# KiCad board iMX6_BareBones.kicad_pcb (continued)
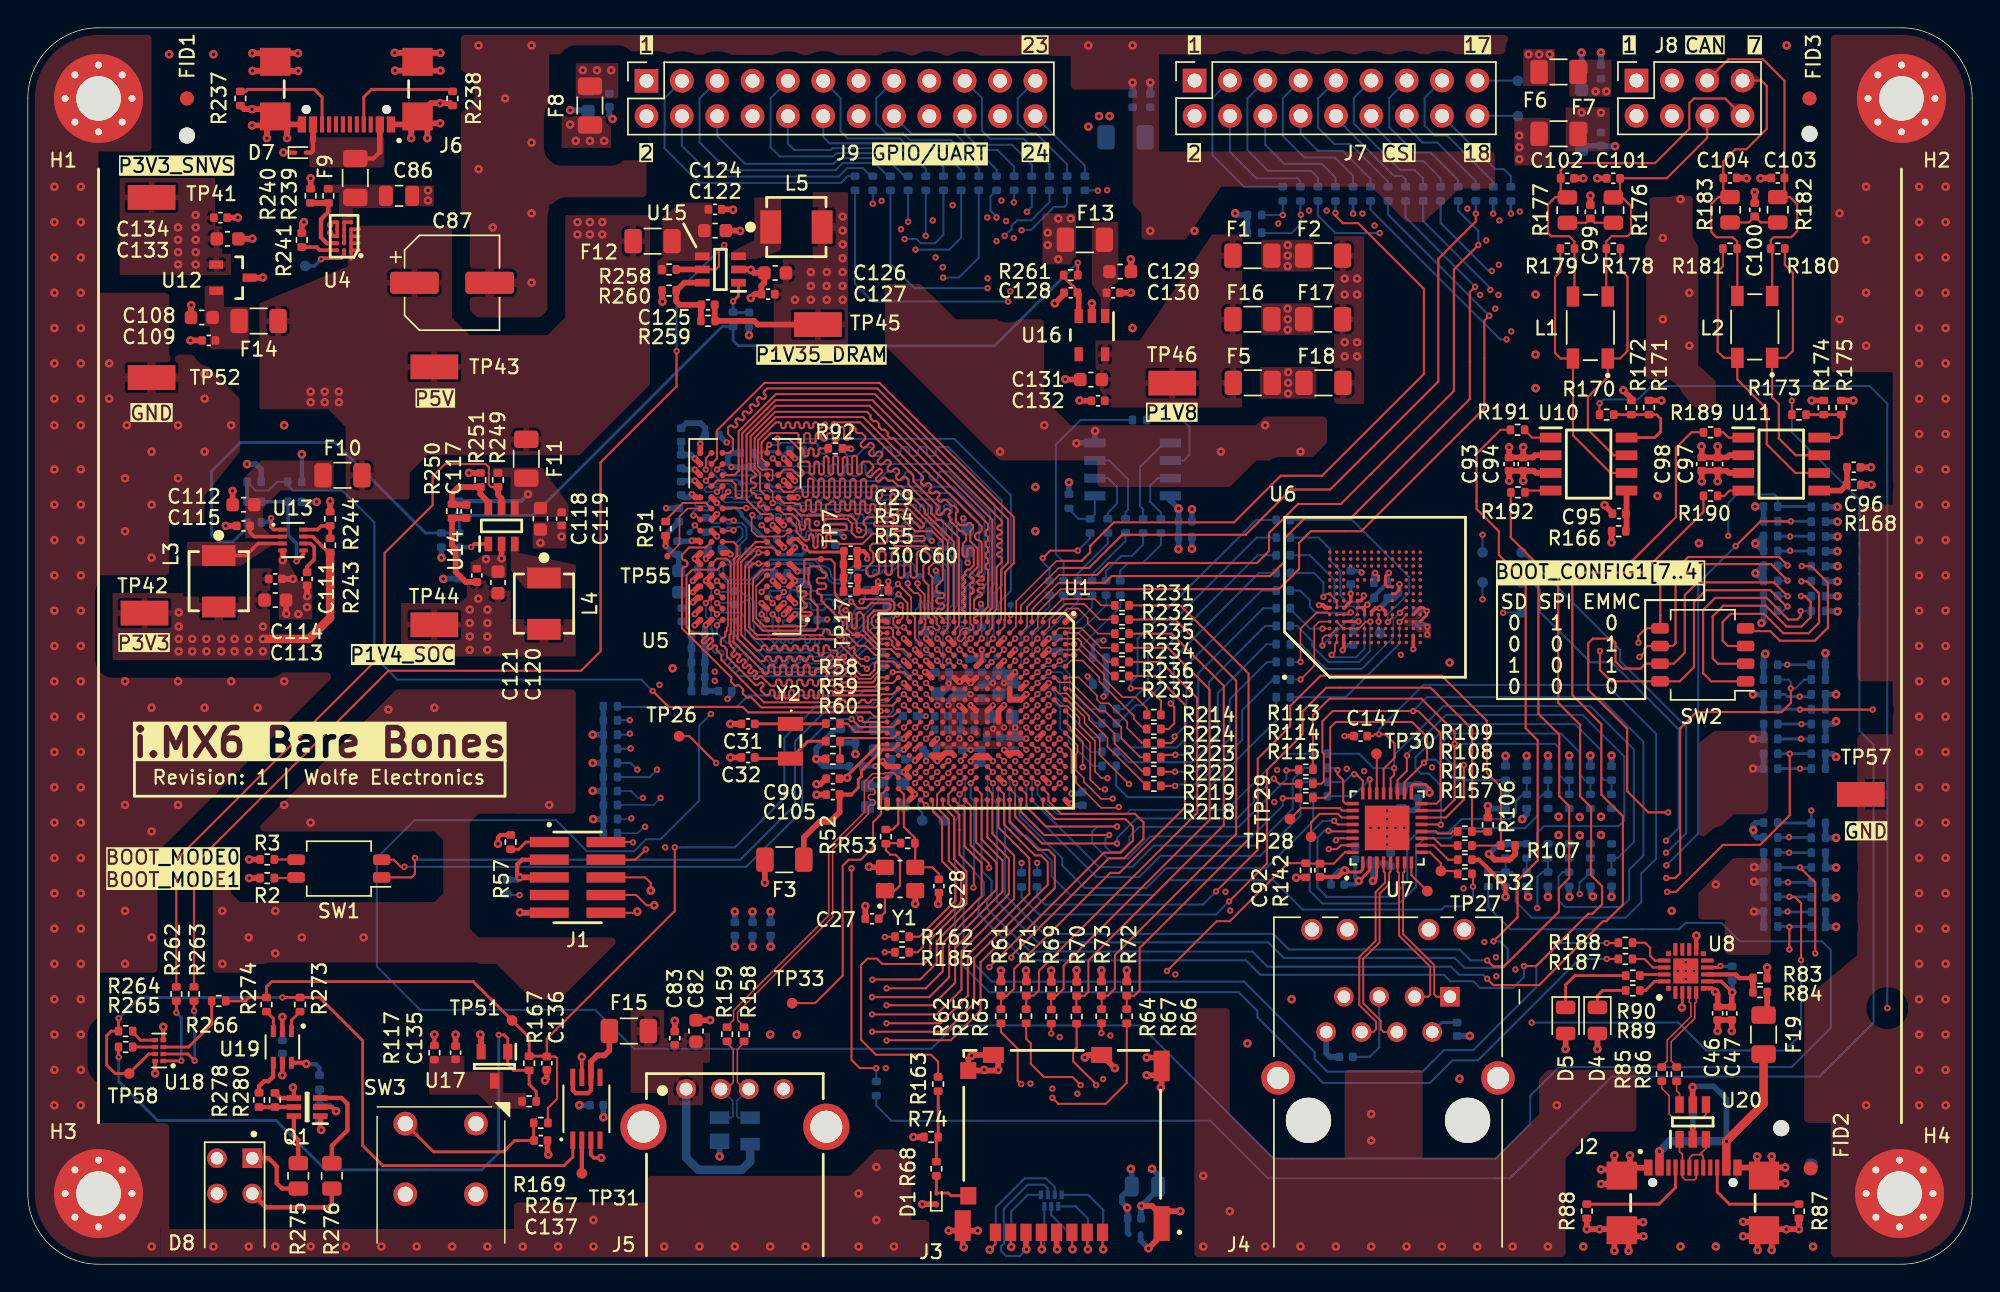
[diagram p0: board, top side]
## Routing (per net, layer and track width the routed paths; a pad name or vN(x,y) marks a point on that pad's centre or on a via; arc(x,y) is an arc through that point) (continued)
/Signal_Map/DRAM_DDR3L/DRAM_A14: length 38.1
  Top w0.143: U5.T7 50.43,58.34 50.65,58.55 50.65,59.36 50.32,59.69 50.32,60.17 50.42,60.27 arc(50.52,60.32) 50.62,60.27 50.69,60.2 arc(50.8,60.16) 50.9,60.2 50.95,60.25 arc(50.99,60.35) 50.95,60.46 50.88,60.53 arc(50.84,60.63) 50.88,60.73 50.93,60.78 arc(51.03,60.83) 51.13,60.78 51.2,60.71 arc(51.31,60.67) 51.41,60.71 51.46,60.76 arc(51.5,60.86) 51.46,60.97 51.39,61.04 arc(51.34,61.14) 51.39,61.24 51.44,61.29 arc(51.54,61.33) 51.64,61.29 51.71,61.22 arc(51.81,61.18) 51.92,61.22 51.97,61.27 arc(52.01,61.37) 51.97,61.47 51.9,61.55 arc(51.85,61.65) 51.9,61.75 51.95,61.8 arc(52.05,61.84) 52.15,61.8 52.22,61.73 arc(52.32,61.69) 52.43,61.73 52.48,61.78 arc(52.52,61.88) 52.48,61.98 52.4,62.06 arc(52.36,62.16) 52.4,62.26 52.46,62.31 arc(52.56,62.35) 52.66,62.31 52.73,62.24 arc(52.83,62.2) 52.93,62.24 52.99,62.29 arc(53.03,62.39) 52.99,62.49 52.91,62.57 arc(52.87,62.67) 52.91,62.77 53.11,62.97 61.04,62.97 70.43,53.57 70.43,50.44 69.93,49.94 69.93,46.37 U1.G1
/Signal_Map/DRAM_DDR3L/DRAM_BA0: length 38.3
  Top w0.143: U5.M2 54.32,54.73 55.07,54.73 55.14,54.66 55.4,54.66 arc(55.5,54.62) 55.54,54.52 55.54,54.27 arc(55.58,54.17) 55.69,54.13 55.76,54.13 arc(55.86,54.17) 55.9,54.27 55.9,54.8 arc(55.94,54.9) 56.04,54.94 56.12,54.94 arc(56.22,54.9) 56.26,54.8 56.26,54.22 arc(56.3,54.12) 56.41,54.08 56.48,54.08 arc(56.58,54.12) 56.62,54.22 56.62,54.75 arc(56.65,54.81) 56.71,54.84 56.89,54.84 arc(56.96,54.81) 56.98,54.75 56.98,54.22 arc(57.02,54.12) 57.13,54.08 57.2,54.08 arc(57.3,54.12) 57.34,54.22 57.34,54.52 arc(57.38,54.62) 57.49,54.66 57.56,54.66 arc(57.62,54.69) 57.65,54.75 arc(57.67,54.81) 57.74,54.84 57.92,54.84 arc(57.98,54.81) 58.01,54.75 58.01,54.22 arc(58.05,54.12) 58.15,54.08 58.22,54.08 arc(58.33,54.12) 58.37,54.22 58.37,54.75 arc(58.39,54.81) 58.46,54.84 58.64,54.84 arc(58.7,54.81) 58.73,54.75 58.73,54.32 arc(58.77,54.22) 58.87,54.18 58.94,54.18 arc(59.05,54.22) 59.09,54.32 59.09,54.75 arc(59.11,54.81) 59.18,54.84 59.36,54.84 arc(59.42,54.81) 59.45,54.75 59.45,54.07 arc(59.49,53.97) 59.59,53.93 59.66,53.93 arc(59.77,53.97) 59.81,54.07 59.81,54.75 arc(59.83,54.81) 59.9,54.84 60.08,54.84 arc(60.14,54.81) 60.17,54.75 60.17,54.17 arc(60.21,54.07) 60.31,54.03 60.38,54.03 arc(60.49,54.07) 60.53,54.17 60.53,54.52 arc(60.57,54.62) 60.67,54.66 60.74,54.66 arc(60.85,54.62) 60.89,54.52 60.89,54.17 arc(60.93,54.07) 61.03,54.03 61.1,54.03 arc(61.21,54.07) 61.25,54.17 61.25,54.52 arc(61.29,54.62) 61.39,54.66 61.46,54.66 arc(61.57,54.62) 61.61,54.52 61.61,54.17 arc(61.65,54.07) 61.75,54.03 61.82,54.03 arc(61.93,54.07) 61.97,54.17 61.97,55.25 arc(62.01,55.35) 62.11,55.39 62.18,55.39 arc(62.29,55.35) 62.33,55.25 62.33,54.8 arc(62.37,54.7) 62.47,54.66 62.92,54.66 64.36,53.21 64.36,53.06 64.26,52.96 64.08,52.96 62.79,54.25 62.64,54.25 62.48,54.1 62.48,53.97 63.75,52.7 64.97,52.7 65.74,51.93 65.74,49.22 65.28,48.76 65.28,48.42 arc(65.33,48.31) 65.44,48.27 65.68,48.27 arc(65.79,48.22) 65.83,48.12 65.83,48.04 arc(65.79,47.93) 65.68,47.89 65.44,47.89 arc(65.33,47.84) 65.28,47.74 65.28,47.66 arc(65.33,47.55) 65.44,47.51 65.68,47.51 arc(65.79,47.46) 65.83,47.36 65.83,47.28 arc(65.79,47.17) 65.68,47.13 65.44,47.13 arc(65.33,47.08) 65.28,46.98 65.28,46.87 65.74,46.42 U1.M1
/Signal_Map/DRAM_DDR3L/DRAM_BA1: length 38
  Top w0.143: U5.N8 49.52,56.34 50.57,56.34 50.85,56.06 50.85,55.19 50.95,55.09 51.26,55.09 51.33,55.17 51.33,59.75 53.11,61.53 53.12,61.53 53.72,62.13 60.68,62.13 69.3,53.51 69.3,47.18 68.99,46.87 68.99,46.87 68.94,46.82 U1.H1
/Signal_Map/DRAM_DDR3L/DRAM_BA2: length 38.1
  Top w0.114: 67.7,46.78 67.72,46.75 67.72,46.07 67.82,45.97 67.82,45.96 67.93,45.86 67.93,45.71 67.82,45.6 67.65,45.6 67.52,45.73 67.19,45.73 66.96,45.5 66.96,45.22 66.78,45.05 66.78,44.92 66.88,44.82 67.06,44.82 67.34,45.1 U1.K2
  Top w0.143: U5.M3 52.6,55.65 52.6,56.9 52.22,57.28 52.22,59.41 53.73,60.91 60.02,60.91 64.28,56.65 arc(64.33,56.53) 64.28,56.41 64.21,56.35 arc(64.16,56.23) 64.21,56.11 64.27,56.05 arc(64.39,56) 64.51,56.05 64.58,56.12 arc(64.7,56.16) 64.81,56.12 64.87,56.06 arc(64.92,55.94) 64.87,55.82 64.81,55.75 arc(64.76,55.63) 64.81,55.51 64.87,55.46 arc(64.99,55.41) 65.1,55.46 65.17,55.52 arc(65.29,55.57) 65.41,55.52 65.47,55.46 arc(65.52,55.34) 65.47,55.22 65.4,55.16 arc(65.35,55.04) 65.4,54.92 65.46,54.86 arc(65.58,54.81) 65.7,54.86 65.76,54.93 arc(65.88,54.98) 66,54.93 66.4,54.53 66.55,54.53 66.8,54.28 66.8,54.1 66.67,53.97 66.67,53.44 66.98,53.13 67.41,53.13 67.58,53.3 67.59,53.29 67.74,53.29 67.89,53.14 67.89,52.88 67.72,52.7 67.72,51.99 68.25,51.45 68.25,50.13 67.7,49.58 67.7,49.49 67.7,49.47 67.71,49.44 67.73,49.42 67.75,49.39 67.77,49.38 67.81,49.37 67.84,49.37 67.87,49.36 67.89,49.35 67.92,49.32 67.93,49.3 67.94,49.27 67.94,49.25 67.94,49.11 67.94,49.09 67.93,49.06 67.92,49.04 67.89,49.01 67.87,49 67.84,48.99 67.81,48.99 67.77,48.98 67.75,48.97 67.73,48.94 67.71,48.92 67.7,48.89 67.7,48.87 67.7,48.73 67.7,48.71 67.71,48.68 67.73,48.66 67.75,48.63 67.77,48.62 67.81,48.61 67.84,48.61 67.87,48.6 67.89,48.59 67.92,48.56 67.93,48.54 67.94,48.51 67.94,48.49 67.94,48.35 67.94,48.33 67.93,48.3 67.92,48.28 67.89,48.25 67.87,48.24 67.84,48.23 67.81,48.23 67.77,48.22 67.75,48.21 67.73,48.18 67.71,48.16 67.7,48.13 67.7,48.11 67.7,46.78
/Signal_Map/DRAM_DDR3L/DRAM_CLK0_N: length 36.5
  Top w0.132: U1.P2 64.43,45.67 64.43,45.97 64.5,46.04 64.5,46.33 64.43,46.4 64.43,48.15 63.92,48.66 v1(63.92,48.96) ; v1(50.71,53.47) 50.65,53.54 U5.K7
  Bottom w0.132: v1(63.92,48.96) 63.92,49.35 TP16.1 63.7,49.86 63.7,50.24 63.36,50.57 62.48,50.57 62.11,50.21 59.51,50.21 arc(59.06,50.02) 58.88,49.58 arc(58.78,49.33) 58.53,49.23 58.05,49.23 arc(57.8,49.33) 57.7,49.58 arc(57.52,50.02) 57.07,50.21 56.95,50.21 56.5,50.66 53.35,50.66 56.34,50.66 53.35,50.66 51.91,49.22 50.43,49.22 49.96,49.68 49.96,50.17 50.1,50.31 50.76,50.31 51.17,50.72 51.17,51.74 51.63,52.2 51.63,52.96 51.29,53.31 50.87,53.31 v1(50.71,53.47) 50.5,53.26 50.27,53.26 49.99,53.54 TP6.1 ; TP6.1 49.68,53.29 49.17,53.29 48.8,53.66 R93.2 ; TP6.1 49.92,53.53
/Signal_Map/DRAM_DDR3L/DRAM_CLK0_P: length 36.4
  Top w0.132: U5.J7 50.68,52.74 v1(50.71,52.77) ; 63.23,48.96 v1(63.22,48.96) 63.22,48.72 63.68,48.26 63.93,48.26 64.14,48.05 U1.P1 64.14,46.24
  Bottom w0.132: v1(63.22,48.96) 63.22,49.37 TP15.1 63.42,49.86 63.42,50.12 63.24,50.29 63.07,50.29 63.07,50.29 62.99,50.22 62.84,50.22 62.76,50.3 62.61,50.3 62.23,49.92 62.15,49.92 arc(62.06,49.88) 62.02,49.79 62.02,49.73 arc(61.98,49.63) 61.89,49.59 61.82,49.59 arc(61.73,49.63) 61.69,49.73 61.69,49.79 arc(61.65,49.88) 61.56,49.92 61.49,49.92 arc(61.4,49.88) 61.36,49.79 61.36,49.78 arc(61.32,49.68) 61.23,49.64 61.16,49.64 arc(61.07,49.68) 61.03,49.78 61.03,49.79 arc(60.99,49.88) 60.9,49.92 60.83,49.92 arc(60.74,49.88) 60.7,49.79 60.7,49.53 arc(60.66,49.43) 60.57,49.39 60.5,49.39 arc(60.41,49.43) 60.37,49.53 60.37,49.79 arc(60.33,49.88) 60.24,49.92 59.51,49.92 arc(59.26,49.82) 59.16,49.58 arc(58.98,49.13) 58.53,48.95 58.05,48.95 arc(57.6,49.13) 57.42,49.58 arc(57.32,49.82) 57.07,49.92 56.84,49.92 56.38,50.37 53.47,50.37 56.22,50.37 53.47,50.37 52.03,48.93 50.31,48.93 49.68,49.56 49.68,50.28 49.98,50.59 50.64,50.59 50.89,50.84 50.89,51.85 51.35,52.32 51.35,52.85 51.17,53.02 50.96,53.02 v1(50.71,52.77) 50.5,52.98 50.28,52.98 TP5.1 49.68,53.01 49.17,53.01 48.8,52.64 R93.1
/Signal_Map/DRAM_DDR3L/DRAM_D0: length 27
  Top w0.114: 52.38,46.42 52.33,46.47 52.33,48.73 52.41,48.8
  Top w0.143: U1.T4 62.45,43.79 62.01,44.23 61.2,44.23 61.2,44.23 60.96,44.23 59.94,45.25 59.32,45.25 58.86,45.71 58.86,46.49 58.77,46.58 58.57,46.58 58.3,46.86 58.3,47.2 58.53,47.43 58.53,47.59 58.07,48.04 58.07,48.17 57.97,48.27 57.97,50.4 57.69,50.68 TP7.1 55.89,50.68 55.78,50.58 55.78,49.06 55.61,48.88 arc(55.57,48.78) 55.46,48.74 55.41,48.74 arc(55.31,48.69) 55.27,48.59 55.27,48.52 arc(55.31,48.42) 55.41,48.38 55.8,48.38 arc(55.91,48.33) 55.95,48.23 55.95,48.16 arc(55.91,48.06) 55.8,48.02 55.75,48.02 arc(55.65,47.97) 55.61,47.87 55.61,47.76 55.96,47.41 55.96,47.31 arc(55.93,47.23) 55.85,47.19 55.73,47.19 arc(55.65,47.16) 55.61,47.08 55.61,47.02 arc(55.65,46.94) 55.73,46.91 56.2,46.91 arc(56.28,46.87) 56.31,46.79 56.31,46.74 arc(56.28,46.65) 56.2,46.62 55.73,46.62 arc(55.65,46.59) 55.61,46.51 55.61,46.45 arc(55.65,46.37) 55.73,46.34 55.85,46.34 arc(55.93,46.3) 55.96,46.22 55.96,46.01 55.81,45.86 52.91,45.86 52.38,46.39 ; U5.E3 52.41,48.82
/Signal_Map/DRAM_DDR3L/DRAM_D1: length 27
  Top w0.143: U1.U6 61,42.19 60.87,42.06 60.87,42.01 60.69,41.82 58.53,41.82 58.41,41.93 arc(58.37,42.03) 58.41,42.13 58.81,42.53 arc(58.85,42.63) 58.81,42.73 58.76,42.78 arc(58.66,42.82) 58.56,42.78 58.17,42.38 arc(58.07,42.34) 57.97,42.38 57.92,42.43 arc(57.88,42.53) 57.92,42.63 58.32,43.02 arc(58.36,43.12) 58.32,43.22 58.27,43.27 arc(58.17,43.31) 58.07,43.27 57.67,42.87 arc(57.57,42.83) 57.47,42.87 57.42,42.92 arc(57.38,43.02) 57.42,43.12 57.82,43.52 arc(57.86,43.62) 57.82,43.72 57.77,43.77 arc(57.67,43.81) 57.57,43.77 57.18,43.37 arc(57.08,43.33) 56.98,43.37 56.56,43.37 arc(56.46,43.41) 56.41,43.52 56.41,43.56 arc(56.37,43.66) 56.26,43.71 56.18,43.71 arc(56.08,43.66) 56.03,43.56 56.03,43.52 arc(55.99,43.41) 55.88,43.37 55.8,43.37 arc(55.7,43.41) 55.65,43.52 55.65,43.56 arc(55.61,43.66) 55.5,43.71 55.42,43.71 arc(55.32,43.66) 55.27,43.56 55.27,43.52 arc(55.23,43.41) 55.12,43.37 55.04,43.37 arc(54.94,43.41) 54.89,43.52 54.89,43.56 arc(54.85,43.66) 54.74,43.71 54.66,43.71 arc(54.56,43.66) 54.51,43.56 54.51,43.52 arc(54.47,43.41) 54.36,43.37 54.28,43.37 arc(54.18,43.41) 54.13,43.52 54.13,43.56 arc(54.09,43.66) 53.98,43.71 53.9,43.71 arc(53.8,43.66) 53.75,43.56 53.75,43.52 arc(53.71,43.41) 53.6,43.37 53.52,43.37 arc(53.42,43.41) 53.37,43.52 53.37,43.56 arc(53.33,43.66) 53.22,43.71 53.14,43.71 arc(53.04,43.66) 52.99,43.56 52.99,43.52 arc(52.95,43.41) 52.84,43.37 52.61,43.37 51,44.98 51,50.63 52.31,51.94 U5.H3
/Signal_Map/DRAM_DDR3L/DRAM_D2: length 27
  Top w0.143: U5.H7 50.7,51.94 50.98,51.65 50.98,50.96 50.76,50.74 50.76,45.17 50.7,45.11 50.7,44.75 52.64,42.81 52.65,42.81 52.68,42.81 52.71,42.79 52.73,42.78 52.75,42.76 52.77,42.74 52.79,42.71 52.8,42.69 52.8,42.66 52.8,42.61 52.81,42.58 52.82,42.56 52.83,42.53 52.85,42.51 52.87,42.49 52.9,42.48 52.93,42.47 52.96,42.46 52.97,42.46 53.06,42.46 53.07,42.46 53.1,42.47 53.13,42.48 53.15,42.49 53.17,42.51 53.19,42.53 53.21,42.56 53.22,42.58 53.22,42.61 53.22,42.63 53.22,42.94 53.22,42.95 53.23,42.97 53.24,42.99 53.25,43.01 53.27,43.03 53.29,43.05 53.31,43.06 53.34,43.06 53.35,43.06 53.52,43.06 53.53,43.06 53.55,43.06 53.58,43.05 53.6,43.03 53.62,43.01 53.63,42.99 53.64,42.97 53.64,42.95 53.64,42.94 53.64,42.53 53.64,42.51 53.65,42.48 53.66,42.46 53.67,42.43 53.69,42.41 53.71,42.39 53.74,42.38 53.77,42.37 53.8,42.36 53.81,42.36 53.9,42.36 53.91,42.36 53.94,42.37 53.97,42.38 53.99,42.39 54.01,42.41 54.03,42.43 54.05,42.46 54.06,42.48 54.06,42.51 54.06,42.53 54.06,42.94 54.06,42.95 54.07,42.97 54.08,42.99 54.09,43.01 54.11,43.03 54.13,43.05 54.15,43.06 54.18,43.06 54.19,43.06 54.36,43.06 54.37,43.06 54.39,43.06 54.42,43.05 54.44,43.03 54.46,43.01 54.47,42.99 54.48,42.97 54.48,42.95 54.48,42.94 54.48,42.53 54.48,42.51 54.49,42.48 54.5,42.46 54.51,42.43 54.53,42.41 54.55,42.39 54.58,42.38 54.61,42.37 54.64,42.36 54.65,42.36 54.74,42.36 54.75,42.36 54.78,42.37 54.81,42.38 54.83,42.39 54.85,42.41 54.87,42.43 54.89,42.46 54.9,42.48 54.9,42.51 54.9,42.53 54.9,42.94 54.9,42.95 54.91,42.97 54.92,42.99 54.93,43.01 54.95,43.03 54.97,43.05 54.99,43.06 55.02,43.06 55.03,43.06 55.2,43.06 55.21,43.06 55.23,43.06 55.26,43.05 55.28,43.03 55.3,43.01 55.31,42.99 55.32,42.97 55.32,42.95 55.32,42.94 55.32,42.53 55.32,42.51 55.33,42.48 55.34,42.46 55.35,42.43 55.37,42.41 55.39,42.39 55.42,42.38 55.45,42.37 55.48,42.36 55.49,42.36 55.58,42.36 55.59,42.36 55.62,42.37 55.65,42.38 55.67,42.39 55.69,42.41 55.71,42.43 55.73,42.46 55.74,42.48 55.74,42.51 55.74,42.53 55.74,42.94 55.74,42.95 55.75,42.97 55.76,42.99 55.77,43.01 55.79,43.03 55.81,43.05 55.83,43.06 55.86,43.06 55.87,43.06 56.04,43.06 56.05,43.06 56.07,43.06 56.1,43.05 56.12,43.03 56.14,43.01 56.15,42.99 56.16,42.97 56.16,42.95 56.16,42.94 56.16,42.53 56.16,42.51 56.17,42.48 56.18,42.46 56.19,42.43 56.21,42.41 56.23,42.39 56.26,42.38 56.29,42.37 56.32,42.36 56.33,42.36 56.42,42.36 56.43,42.36 56.46,42.37 56.49,42.38 56.51,42.39 56.53,42.41 56.55,42.43 56.57,42.46 56.58,42.48 56.58,42.51 56.58,42.53 56.58,42.64 56.58,42.66 56.59,42.69 56.6,42.71 56.61,42.74 56.63,42.76 56.65,42.78 56.68,42.79 56.71,42.81 56.74,42.81 56.75,42.81 57.08,42.81 57.41,42.48 57.42,42.47 57.44,42.45 57.44,42.43 57.45,42.4 57.45,42.38 57.44,42.35 57.44,42.33 57.42,42.31 57.4,42.29 57.39,42.27 57.38,42.25 57.38,42.23 57.38,42.2 57.38,42.18 57.39,42.15 57.4,42.13 57.41,42.12 57.53,42 57.54,42 57.56,41.98 57.58,41.97 57.61,41.97 57.63,41.97 57.66,41.97 57.68,41.98 57.7,42 57.72,42.01 57.74,42.03 57.76,42.04 57.79,42.04 57.81,42.04 57.83,42.04 57.86,42.03 57.88,42.01 57.89,42 58.38,41.51 60.86,41.51 61.14,41.79 62.15,41.79 U1.T6
/Signal_Map/DRAM_DDR3L/DRAM_D3: length 27
  Top w0.114: 50.49,49.44 50.49,49.27 50.52,49.24 50.52,45.77 50.49,45.75 50.49,45.58
  Top w0.143: 50.49,45.58 50.49,45.31 50.41,45.23 50.41,44.63 50.53,44.51 50.53,44.44 50.74,44.23 arc(50.77,44.15) 50.74,44.07 50.58,43.91 arc(50.55,43.83) 50.58,43.75 50.62,43.71 arc(50.7,43.67) 50.78,43.71 50.94,43.86 arc(51.02,43.9) 51.1,43.86 51.14,43.82 arc(51.17,43.74) 51.14,43.66 50.98,43.51 arc(50.95,43.42) 50.98,43.34 51.02,43.3 arc(51.1,43.27) 51.19,43.3 51.34,43.46 arc(51.42,43.49) 51.5,43.46 51.54,43.42 arc(51.58,43.34) 51.54,43.26 51.39,43.1 arc(51.35,43.02) 51.39,42.94 51.43,42.9 arc(51.51,42.87) 51.59,42.9 51.75,43.06 arc(51.83,43.09) 51.91,43.06 51.95,43.02 arc(51.98,42.93) 51.95,42.85 51.79,42.7 arc(51.76,42.62) 51.79,42.54 51.83,42.5 arc(51.91,42.46) 51.99,42.5 52.15,42.65 arc(52.23,42.69) 52.31,42.65 52.35,42.61 arc(52.38,42.53) 52.35,42.45 52.19,42.29 arc(52.16,42.21) 52.19,42.13 52.23,42.09 arc(52.32,42.06) 52.4,42.09 52.55,42.25 arc(52.63,42.28) 52.71,42.25 53.37,41.59 53.6,41.59 arc(53.71,41.64) 53.75,41.74 53.75,41.88 arc(53.8,41.99) 53.9,42.03 53.98,42.03 arc(54.09,41.99) 54.13,41.88 54.13,41.74 arc(54.18,41.64) 54.28,41.59 54.36,41.59 arc(54.47,41.64) 54.51,41.74 54.51,41.88 arc(54.56,41.99) 54.66,42.03 54.74,42.03 arc(54.85,41.99) 54.89,41.88 54.89,41.74 arc(54.94,41.64) 55.04,41.59 55.12,41.59 arc(55.23,41.64) 55.27,41.74 55.27,41.88 arc(55.32,41.99) 55.42,42.03 55.5,42.03 arc(55.61,41.99) 55.65,41.88 55.65,41.74 arc(55.7,41.64) 55.8,41.59 55.88,41.59 arc(55.99,41.64) 56.03,41.74 56.03,41.88 arc(56.08,41.99) 56.18,42.03 56.26,42.03 arc(56.37,41.99) 56.41,41.88 56.41,41.74 arc(56.46,41.64) 56.56,41.59 56.64,41.59 arc(56.75,41.64) 56.79,41.74 56.79,41.88 arc(56.84,41.99) 56.94,42.03 57.02,42.03 arc(57.13,41.99) 57.17,41.88 57.17,41.74 arc(57.22,41.64) 57.32,41.59 57.82,41.59 58.18,41.23 61.11,41.23 61.27,41.39 U1.U7 ; U5.F8 49.52,50.74 50.2,50.74 50.49,50.44 50.49,49.44
/Signal_Map/DRAM_DDR3L/DRAM_D4: length 27
  Top w0.143: U5.F7 49.52,49.94 47.75,49.94 47.33,49.52 47.33,45.81 47.73,45.4 48.24,45.4 48.33,45.31 arc(48.41,45.28) 48.49,45.31 48.58,45.4 arc(48.66,45.43) 48.74,45.4 48.78,45.35 arc(48.82,45.27) 48.78,45.19 48.45,44.86 arc(48.42,44.78) 48.45,44.7 48.49,44.65 arc(48.57,44.62) 48.66,44.65 48.99,44.99 arc(49.07,45.02) 49.15,44.99 49.19,44.94 arc(49.23,44.86) 49.19,44.78 48.86,44.45 arc(48.83,44.37) 48.86,44.29 48.9,44.24 arc(48.98,44.21) 49.07,44.24 49.3,44.48 arc(49.37,44.51) 49.44,44.48 49.51,44.42 arc(49.54,44.35) 49.51,44.28 arc(49.48,44.2) 49.51,44.13 49.82,43.82 49.82,43.46 52.89,40.4 58.27,40.4 58.46,40.59 58.6,40.59 arc(58.68,40.56) 58.71,40.48 arc(58.75,40.4) 58.82,40.37 58.97,40.37 arc(59.05,40.4) 59.08,40.48 arc(59.12,40.56) 59.19,40.59 59.34,40.59 arc(59.42,40.56) 59.45,40.48 arc(59.49,40.4) 59.56,40.37 59.71,40.37 arc(59.79,40.4) 59.82,40.48 arc(59.86,40.56) 59.93,40.59 60.08,40.59 arc(60.16,40.56) 60.19,40.48 arc(60.23,40.4) 60.3,40.37 60.45,40.37 arc(60.53,40.4) 60.56,40.48 arc(60.6,40.56) 60.67,40.59 U1.U8
/Signal_Map/DRAM_DDR3L/DRAM_D5: length 26.9
  Top w0.143: U5.H8 48.72,51.54 47.52,51.54 47,51.01 47,50.8 arc(47.05,50.67) 47.19,50.61 47.2,50.61 arc(47.34,50.56) 47.4,50.42 47.4,50.32 arc(47.34,50.19) 47.2,50.13 47.19,50.13 arc(47.05,50.08) 47,49.94 47,45.73 50.54,42.19 arc(50.57,42.11) 50.54,42.03 arc(50.5,41.95) 50.54,41.87 50.8,41.61 arc(50.88,41.57) 50.96,41.61 arc(51.04,41.64) 51.12,41.61 51.38,41.35 arc(51.42,41.26) 51.38,41.18 arc(51.35,41.1) 51.38,41.02 51.65,40.76 arc(51.73,40.72) 51.81,40.76 arc(51.89,40.79) 51.97,40.76 52.69,40.04 60.92,40.04 61.04,40.17 62.12,40.17 U1.T8
/Signal_Map/DRAM_DDR3L/DRAM_D6: length 27
  Top w0.143: U5.G2 53.52,51.54 52.71,51.54 52.68,51.57 52.34,51.57 51.26,50.49 51.26,45.26 52.38,44.13 52.58,44.13 arc(52.69,44.17) 52.73,44.28 52.73,44.34 arc(52.78,44.45) 52.88,44.49 52.95,44.49 arc(53.06,44.45) 53.1,44.34 53.1,44.28 arc(53.15,44.17) 53.25,44.13 53.32,44.13 arc(53.43,44.17) 53.47,44.28 53.47,44.34 arc(53.52,44.45) 53.62,44.49 53.69,44.49 arc(53.8,44.45) 53.84,44.34 53.84,44.28 arc(53.89,44.17) 53.99,44.13 54.06,44.13 arc(54.17,44.17) 54.21,44.28 54.21,44.34 arc(54.26,44.45) 54.36,44.49 54.43,44.49 arc(54.54,44.45) 54.58,44.34 54.58,44.28 arc(54.63,44.17) 54.73,44.13 54.8,44.13 arc(54.91,44.17) 54.95,44.28 54.95,44.34 arc(55,44.45) 55.1,44.49 55.17,44.49 arc(55.28,44.45) 55.32,44.34 55.32,44.28 arc(55.37,44.17) 55.47,44.13 55.54,44.13 arc(55.65,44.17) 55.69,44.28 55.69,44.34 arc(55.74,44.45) 55.84,44.49 55.91,44.49 arc(56.02,44.45) 56.06,44.34 56.06,44.28 arc(56.11,44.17) 56.21,44.13 56.28,44.13 arc(56.39,44.17) 56.43,44.28 56.43,44.34 arc(56.48,44.45) 56.58,44.49 56.65,44.49 arc(56.76,44.45) 56.8,44.34 56.8,43.92 arc(56.85,43.81) 56.95,43.77 57.02,43.77 arc(57.13,43.81) 57.17,43.92 57.17,44.34 arc(57.22,44.45) 57.32,44.49 57.39,44.49 arc(57.5,44.45) 57.54,44.34 57.54,44.28 arc(57.59,44.17) 57.69,44.13 58.09,44.13 58.16,44.06 arc(58.19,43.98) 58.16,43.89 arc(58.12,43.81) 58.16,43.72 58.22,43.66 arc(58.3,43.63) 58.39,43.66 58.54,43.81 arc(58.61,43.84) 58.68,43.81 58.77,43.71 arc(58.8,43.65) 58.77,43.58 58.64,43.45 arc(58.61,43.38) 58.64,43.31 58.74,43.21 arc(58.81,43.18) 58.87,43.21 59.01,43.35 arc(59.08,43.37) 59.14,43.35 59.24,43.25 arc(59.27,43.18) 59.24,43.11 arc(59.21,43.05) 59.24,42.98 59.85,42.37 60.46,42.37 60.84,42.74 60.84,43.17 61.02,43.35 62.18,43.35 U1.T5
/Signal_Map/DRAM_DDR3L/DRAM_D7: length 26.9
  Top w0.143: U5.F2 53.52,49.94 52.8,49.94 52.1,49.23 52.1,46.37 52.1,46.37 52.1,46.26 52.81,45.55 56.55,45.55 56.75,45.76 56.75,47.28 56.24,47.79 56.24,48.78 56.09,48.93 56.09,50.05 56.22,50.18 56.85,50.18 57.03,50 57.03,49.89 arc(57.08,49.78) 57.19,49.73 57.21,49.73 arc(57.32,49.68) 57.37,49.57 57.37,49.5 arc(57.32,49.39) 57.21,49.34 56.85,49.34 arc(56.74,49.29) 56.69,49.18 56.69,49.11 arc(56.74,49) 56.85,48.95 57.21,48.95 arc(57.32,48.9) 57.37,48.79 57.37,48.72 arc(57.32,48.61) 57.21,48.56 56.85,48.56 arc(56.74,48.51) 56.69,48.4 56.69,48.33 arc(56.74,48.22) 56.85,48.17 56.87,48.17 arc(56.98,48.12) 57.03,48.01 57.03,47.69 58.55,46.16 58.55,45.58 59.67,44.46 60.2,44.46 60.88,43.79 U1.U4
/Signal_Map/DRAM_DDR3L/DRAM_D8: length 20
  Top w0.143: U1.U2 61.21,45.39 v1(61.2,45.38) ; U5.D7 v1(49.52,49.14)
  Bottom w0.114: 49.1,47.74 49.11,47.74 49.11,46.6 49.36,46.34 49.89,46.34
  Bottom w0.143: v1(61.2,45.38) 61.04,45.38 TP21.1 60.36,44.87 58.38,42.89 53.02,42.89 50.93,44.97 50.93,45.08 arc(50.89,45.18) 50.79,45.22 50.77,45.22 arc(50.67,45.26) 50.63,45.36 50.63,45.43 arc(50.67,45.53) 50.77,45.57 51.09,45.57 arc(51.19,45.61) 51.23,45.71 51.23,45.78 arc(51.19,45.88) 51.09,45.92 51.07,45.92 arc(50.97,45.96) 50.93,46.06 50.93,46.09 50.68,46.34 49.89,46.34 ; v1(49.52,49.14) 49.1,48.72 49.1,47.74
/Signal_Map/DRAM_DDR3L/DRAM_D9: length 19.7
  Top w0.143: U5.C3 v1(53.52,47.54) ; U1.U3 61.01,44.59 60.05,45.54 60.05,46.65 59.82,46.87 59.69,46.87 arc(59.59,46.83) 59.55,46.73 59.55,45.84 arc(59.51,45.75) 59.41,45.7 59.34,45.7 arc(59.24,45.75) 59.2,45.84 59.2,46.73 arc(59.16,46.83) 59.06,46.87 58.91,46.87 v1(58.76,47.03)
  Bottom w0.114: 55.56,47.13 54.96,47.13 54.72,46.88 54.72,46.37 ; 53.93,46.52 53.92,46.52 53.92,47.13 v1(53.52,47.54)
  Bottom w0.143: 55.56,47.13 55.71,47.13 55.78,47.2 55.78,47.46 55.89,47.56 56.12,47.56 56.24,47.43 56.24,47.18 56.39,47.03 57.14,47.03 arc(57.22,47.06) 57.25,47.14 arc(57.29,47.21) 57.36,47.25 57.51,47.25 arc(57.59,47.21) 57.62,47.14 arc(57.66,47.06) 57.73,47.03 57.81,47.03 arc(57.91,46.98) 57.96,46.88 57.96,46.35 arc(58,46.25) 58.1,46.21 58.18,46.21 arc(58.28,46.25) 58.33,46.35 58.33,46.88 arc(58.37,46.98) 58.47,47.03 v1(58.76,47.03) ; 53.93,46.52 53.93,45.63 54.06,45.5 55.05,45.5 55.25,45.71 55.25,45.86 55.15,45.96 54.34,45.96 54.26,46.04 54.26,46.21 54.34,46.29 54.64,46.29 54.72,46.37
/Signal_Map/DRAM_DDR3L/DRAM_D10: length 20
  Top w0.114: U1.U5 61.32,42.99 61.12,42.78 61.12,42.64 60.58,42.09 59.73,42.09 59.52,42.3 v1(59.29,42.3)
  Top w0.143: U5.C8 v1(48.72,47.54)
  Bottom w0.114: v1(48.72,47.54) 48.72,46.58 49.13,46.16 49.13,45.73
  Bottom w0.143: 49.13,45.73 49.13,45.63 49.21,45.55 49.21,44.13 49.35,43.99 arc(49.46,43.95) 49.57,43.99 49.67,44.1 arc(49.78,44.14) 49.89,44.1 49.95,44.04 arc(49.99,43.93) 49.95,43.82 49.84,43.72 arc(49.8,43.61) 49.84,43.5 49.9,43.44 arc(50.01,43.39) 50.12,43.44 50.22,43.54 arc(50.33,43.59) 50.44,43.54 50.5,43.49 arc(50.54,43.38) 50.5,43.27 50.39,43.16 arc(50.35,43.05) 50.39,42.94 50.45,42.89 arc(50.56,42.84) 50.67,42.89 50.77,42.99 arc(50.88,43.04) 51,42.99 51.05,42.94 arc(51.1,42.83) 51.05,42.72 50.95,42.61 arc(50.9,42.5) 50.95,42.39 51.06,42.28 59.26,42.28 v1(59.29,42.3)
/Signal_Map/DRAM_DDR3L/DRAM_D11: length 19.8
  Top w0.143: U1.R4 62.9,44.23 62.39,44.23 62.11,44.51 62.11,44.77 61.9,44.97 61.03,44.97 60.35,45.65 60.35,46.55 60.8,47 61.79,47 61.98,47.19 61.98,47.44 61.89,47.53 60.6,47.53 60.26,47.18 59.62,47.18 v1(59.16,47.64) ; U5.C2 v1(54.32,48.34)
  Bottom w0.143: v1(59.16,47.64) 58.97,47.83 58.83,47.83 arc(58.65,47.76) 58.57,47.57 arc(58.49,47.38) 58.3,47.3 58.12,47.3 arc(57.94,47.38) 57.86,47.57 arc(57.78,47.76) 57.59,47.83 57.41,47.83 arc(57.28,47.78) 57.22,47.64 arc(57.17,47.51) 57.03,47.45 56.7,47.45 arc(56.57,47.51) 56.51,47.64 arc(56.46,47.78) 56.32,47.83 55.51,47.83 55.3,48.04 55.3,48.27 55.09,48.48 54.85,48.48 54.77,48.4 54.77,48.2 54.51,47.94 53.5,47.94 53.3,48.14 53.3,48.35 53.37,48.42 54.23,48.42 v1(54.32,48.34)
/Signal_Map/DRAM_DDR3L/DRAM_D12: length 19.8
  Top w0.143: U5.A7 v1(49.52,45.94) ; U1.P5 v1(63.74,43.39)
  Bottom w0.143: v1(49.52,45.94) 49.52,45.37 50.2,44.69 arc(50.31,44.64) 50.43,44.69 arc(50.55,44.74) 50.66,44.69 50.86,44.5 arc(50.9,44.38) 50.86,44.27 arc(50.81,44.15) 50.86,44.03 51.05,43.84 arc(51.16,43.79) 51.28,43.84 arc(51.4,43.89) 51.51,43.84 51.7,43.65 arc(51.75,43.53) 51.7,43.42 arc(51.66,43.3) 51.7,43.18 52.31,42.58 58.5,42.58 60.19,44.27 60.78,44.27 61.58,45.07 62.19,45.07 62.41,44.84 62.41,44.48 63.51,43.39 v1(63.74,43.39)
/Signal_Map/DRAM_DDR3L/DRAM_D13: length 19.8
  Top w0.114: 63.46,46.77 63.47,46.79 63.47,47.77
  Top w0.143: 63.46,47.79 63.46,47.97 v1(62.52,48.91) ; U5.A2 v1(53.52,46.74) ; U1.P3 63.74,44.99 63.74,46.49 63.46,46.77
  Bottom w0.143: v1(62.52,48.91) 62.12,48.51 62.12,48.21 62.01,48.09 61.86,48.09 61.75,48.2 61.75,48.55 61.65,48.65 61.42,48.65 61.32,48.55 61.32,48.14 61.16,47.98 60.98,47.98 60.1,47.1 59.49,47.1 59.42,47.03 arc(59.36,46.9) 59.42,46.77 59.46,46.72 arc(59.52,46.59) 59.46,46.46 59.4,46.4 arc(59.27,46.34) 59.14,46.4 59.09,46.44 arc(58.96,46.5) 58.83,46.44 58.71,46.32 58.71,46.01 58.38,45.68 58.06,45.68 arc(57.94,45.63) 57.89,45.51 57.89,45.43 arc(57.84,45.31) 57.71,45.26 57.63,45.26 arc(57.51,45.31) 57.46,45.43 57.46,45.51 arc(57.41,45.63) 57.28,45.68 55.71,45.68 55.2,45.17 53.93,45.17 53.52,45.59 v1(53.52,46.74)
/Signal_Map/DRAM_DDR3L/DRAM_D14: length 19.9
  Top w0.143: U1.R2 v1(62.94,45.79) ; U5.B8 v1(49.52,46.74)
  Bottom w0.143: v1(49.52,46.74) 49.63,46.85 51.19,46.85 51.52,46.52 51.52,45.02 53.35,43.19 53.63,43.19 53.64,43.19 53.67,43.2 53.7,43.21 53.72,43.22 53.74,43.24 53.76,43.26 53.78,43.29 53.79,43.32 53.79,43.34 53.79,43.36 53.79,43.45 53.79,43.47 53.8,43.5 53.81,43.52 53.82,43.55 53.84,43.57 53.86,43.59 53.89,43.61 53.92,43.62 53.95,43.62 53.96,43.62 54.05,43.62 54.06,43.62 54.09,43.62 54.12,43.61 54.14,43.59 54.16,43.57 54.18,43.55 54.2,43.52 54.21,43.5 54.21,43.47 54.21,43.45 54.21,43.36 54.21,43.34 54.22,43.32 54.23,43.29 54.24,43.26 54.26,43.24 54.28,43.22 54.31,43.21 54.34,43.2 54.37,43.19 54.38,43.19 54.47,43.19 54.48,43.19 54.51,43.2 54.54,43.21 54.56,43.22 54.58,43.24 54.6,43.26 54.62,43.29 54.63,43.32 54.63,43.34 54.63,43.36 54.63,43.45 54.63,43.47 54.64,43.5 54.65,43.52 54.66,43.55 54.68,43.57 54.7,43.59 54.73,43.61 54.76,43.62 54.79,43.62 54.8,43.62 54.89,43.62 54.9,43.62 54.93,43.62 54.96,43.61 54.98,43.59 55,43.57 55.02,43.55 55.04,43.52 55.05,43.5 55.05,43.47 55.05,43.45 55.05,43.36 55.05,43.34 55.06,43.32 55.07,43.29 55.08,43.26 55.1,43.24 55.12,43.22 55.15,43.21 55.18,43.2 55.21,43.19 55.22,43.19 55.31,43.19 55.32,43.19 55.35,43.2 55.38,43.21 55.4,43.22 55.42,43.24 55.44,43.26 55.46,43.29 55.47,43.32 55.47,43.34 55.47,43.36 55.47,43.45 55.47,43.47 55.48,43.5 55.49,43.52 55.5,43.55 55.52,43.57 55.54,43.59 55.57,43.61 55.6,43.62 55.63,43.62 55.64,43.62 55.73,43.62 55.74,43.62 55.77,43.62 55.8,43.61 55.82,43.59 55.84,43.57 55.86,43.55 55.88,43.52 55.89,43.5 55.89,43.47 55.89,43.45 55.89,43.36 55.89,43.34 55.9,43.32 55.91,43.29 55.92,43.26 55.94,43.24 55.96,43.22 55.99,43.21 56.02,43.2 56.05,43.19 56.06,43.19 58.13,43.19 60.68,45.75 61,45.75 61.07,45.82 61.32,45.82 61.39,45.75 62.9,45.75 v1(62.94,45.79)